# KiCad board HermEIS.kicad_pcb
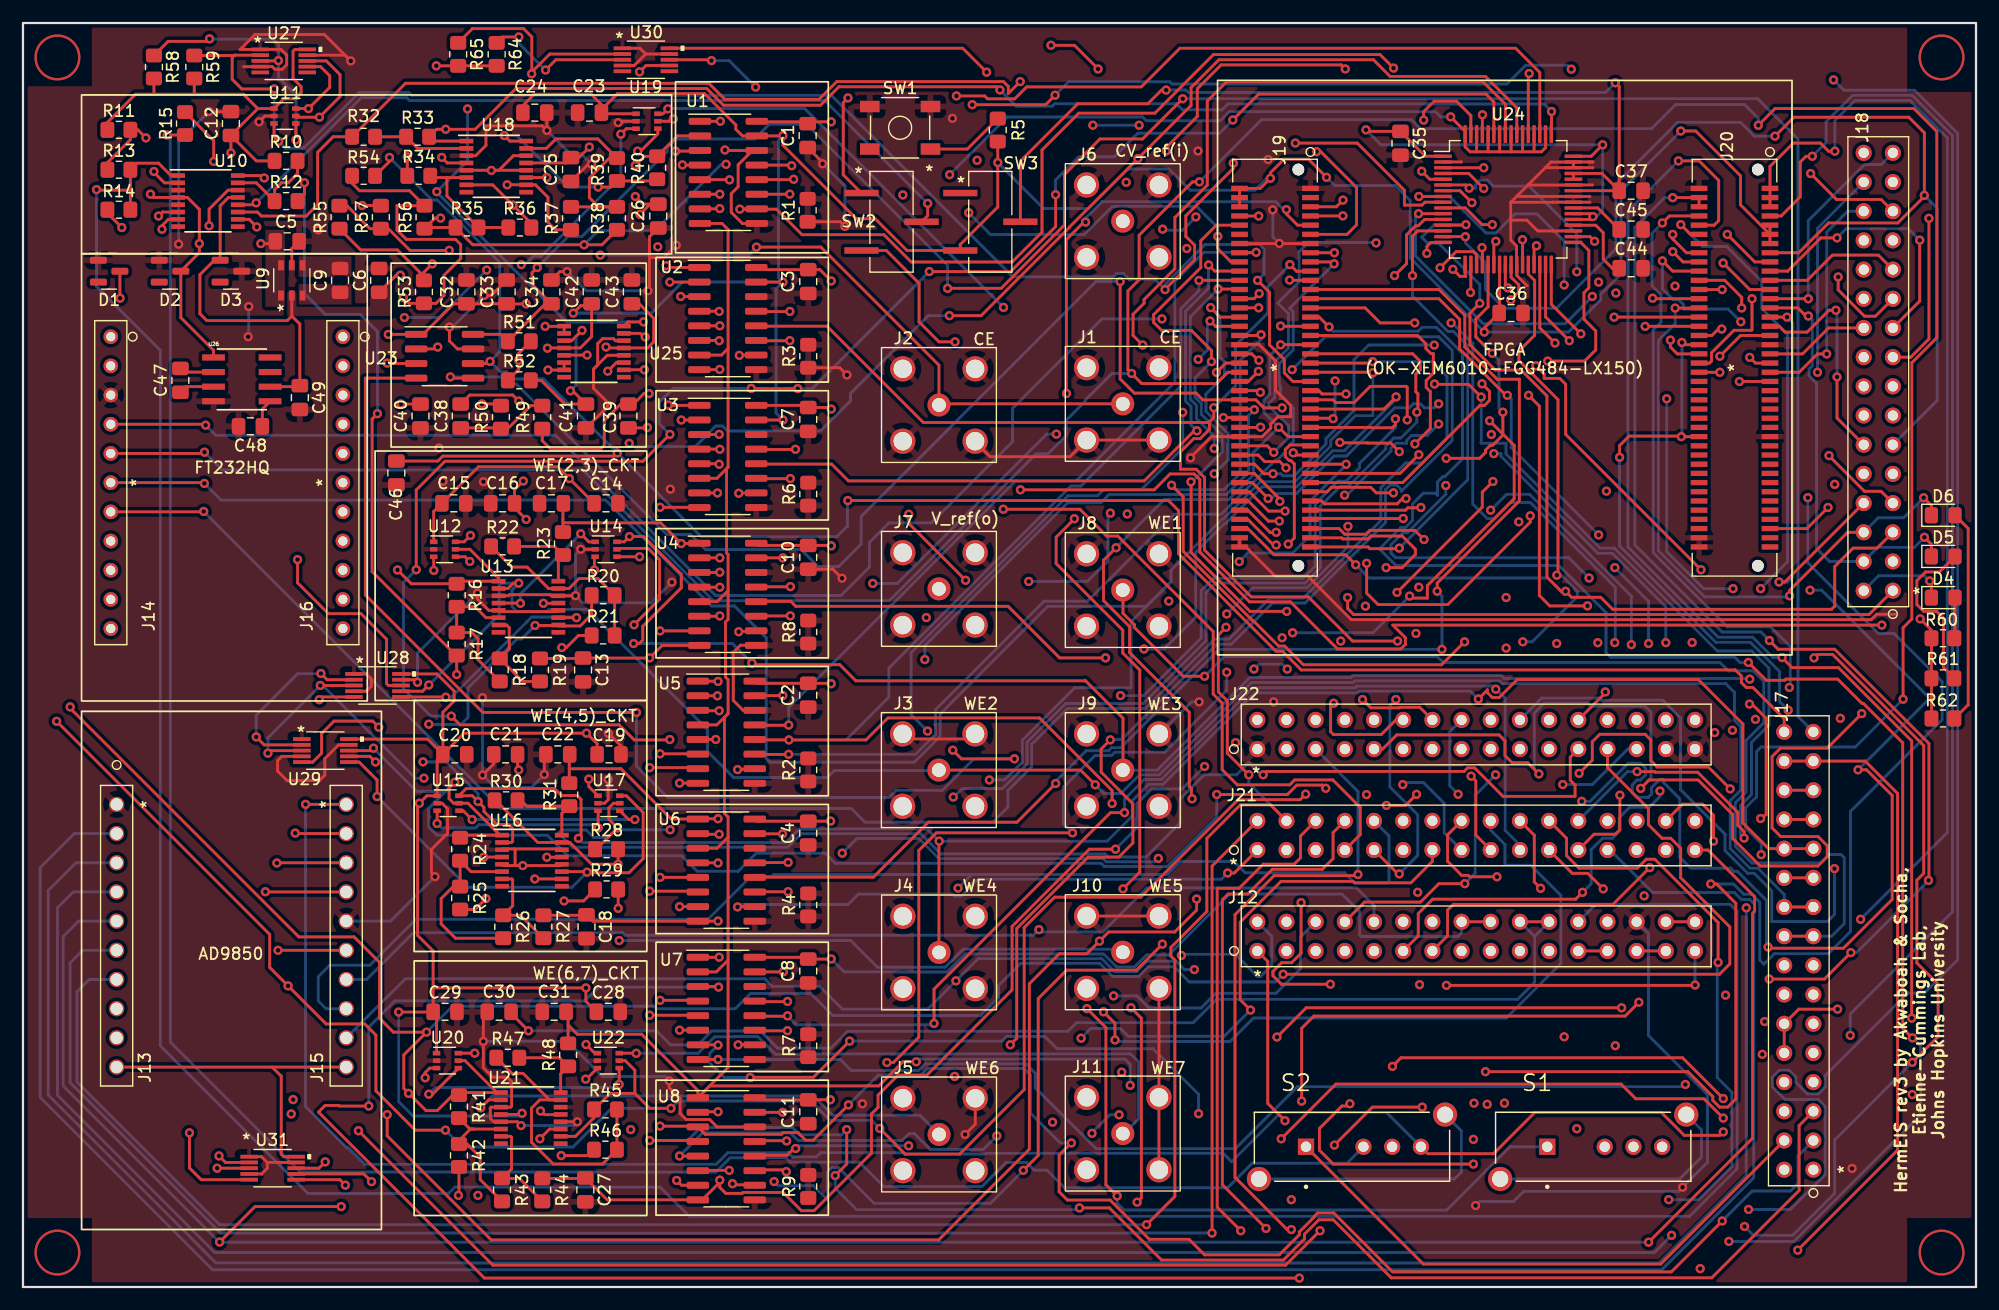
[diagram p0: board, top side]
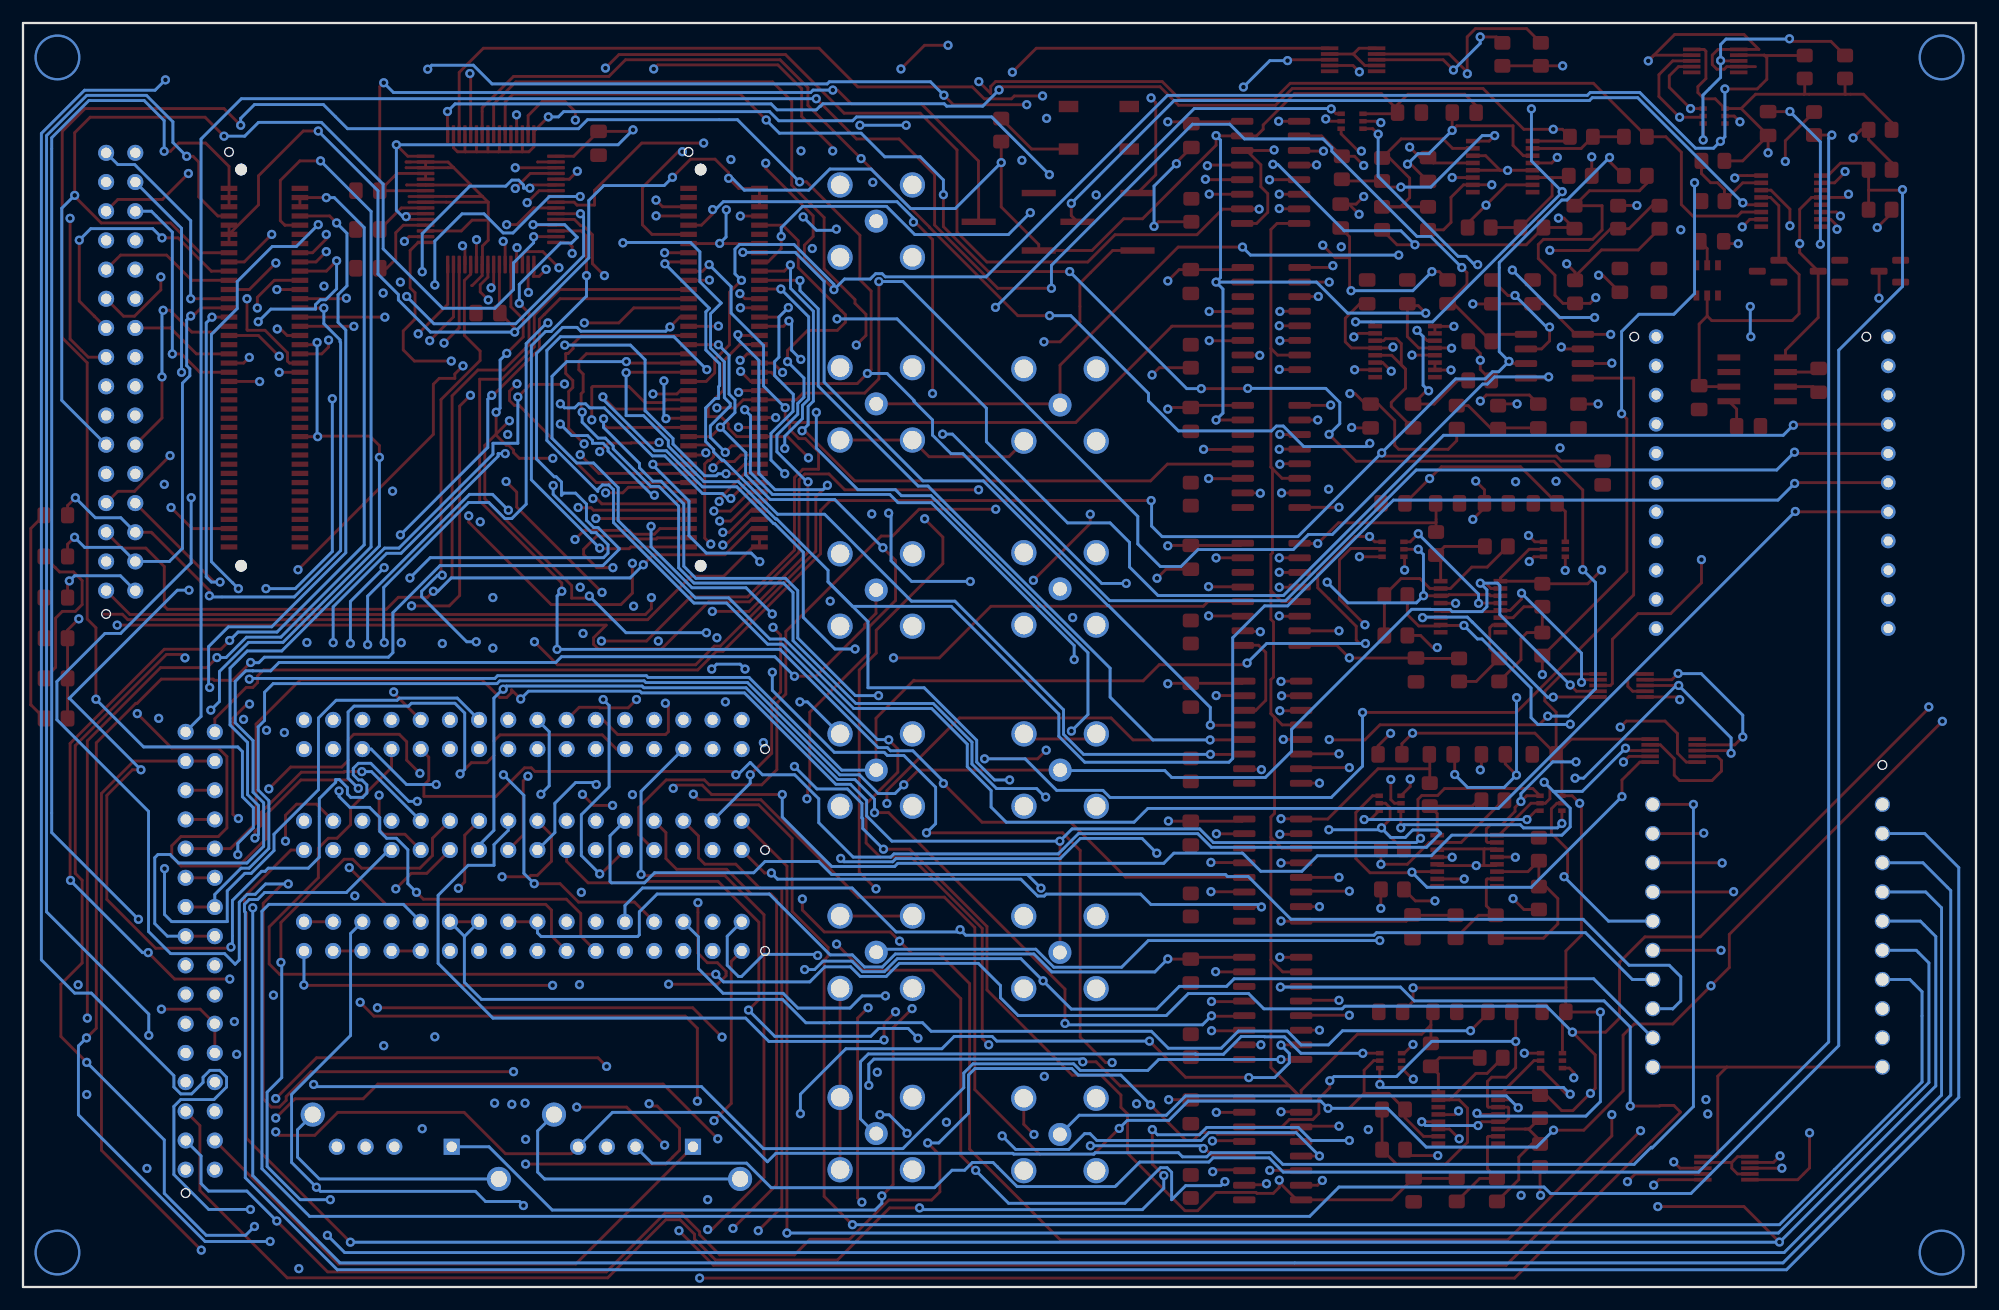
[diagram p1: board, bottom side, seen from below]

Outline 170 x 110 mm; copper layers: Top, In1.Cu, In2.Cu, Bottom. Coordinates in mm from the lower left corner of the outline.
Outline path: rectangle 0,110 170,0
Stack: Top 0.035mm / dielectric 1.51mm FR4 er 4.5 / In1.Cu 0.035mm / dielectric 1.51mm FR4 er 4.5 / In2.Cu 0.035mm / dielectric 1.51mm FR4 er 4.5 / Bottom 0.035mm

## Placement (name value [footprint] x y rotation side)
C1  0.1u  [C_0805_2012Metric_Pad1.18x1.45mm_HandSolder]  68.3 100.2 270 top
C2  0.1u  [C_0805_2012Metric_Pad1.18x1.45mm_HandSolder]  68.35 51.5 270 top
C3  0.1u  [C_0805_2012Metric_Pad1.18x1.45mm_HandSolder]  68.35 87.5 270 top
C4  0.1u  [C_0805_2012Metric_Pad1.18x1.45mm_HandSolder]  68.35 39.5 270 top
C5  10u  [C_0805_2012Metric_Pad1.18x1.45mm_HandSolder]  23 91 0 top
C6  10u  [C_0805_2012Metric_Pad1.18x1.45mm_HandSolder]  31 87.6 90 top
C7  0.1u  [C_0805_2012Metric_Pad1.18x1.45mm_HandSolder]  68.35 75.5 270 top
C8  0.1u  [C_0805_2012Metric_Pad1.18x1.45mm_HandSolder]  68.35 27.5 270 top
C9  1u  [C_0805_2012Metric_Pad1.18x1.45mm_HandSolder]  27.6 87.6 90 top
C10  0.1u  [C_0805_2012Metric_Pad1.18x1.45mm_HandSolder]  68.35 63.5 270 top
C11  0.1u  [C_0805_2012Metric_Pad1.18x1.45mm_HandSolder]  68.35 15.25 270 top
C12  0.1u  [C_0805_2012Metric_Pad1.18x1.45mm_HandSolder]  18.1 101.25 90 top
C13  1p  [C_0805_2012Metric_Pad1.18x1.45mm_HandSolder]  48.75 53.7 270 top
C14  0.1u  [C_0805_2012Metric_Pad1.18x1.45mm_HandSolder]  50.75 68.2 0 top
C15  0.1u  [C_0805_2012Metric_Pad1.18x1.45mm_HandSolder]  37.5 68.2 0 top
C16  0.1u  [C_0805_2012Metric_Pad1.18x1.45mm_HandSolder]  41.75 68.2 180 top
C17  1p  [C_0805_2012Metric_Pad1.18x1.45mm_HandSolder]  46 68.2 180 top
C18  1p  [C_0805_2012Metric_Pad1.18x1.45mm_HandSolder]  49.05 31.35 270 top
C19  0.1u  [C_0805_2012Metric_Pad1.18x1.45mm_HandSolder]  51.01 46.35 0 top
C20  0.1u  [C_0805_2012Metric_Pad1.18x1.45mm_HandSolder]  37.59 46.35 0 top
C21  0.1u  [C_0805_2012Metric_Pad1.18x1.45mm_HandSolder]  42.01 46.35 180 top
C22  1p  [C_0805_2012Metric_Pad1.18x1.45mm_HandSolder]  46.55 46.35 180 top
C23  0.1u  [C_0805_2012Metric_Pad1.18x1.45mm_HandSolder]  49.31 102.2 180 top
C24  0.1u  [C_0805_2012Metric_Pad1.18x1.45mm_HandSolder]  44.55 102.2 0 top
C25  0.1u  [C_0805_2012Metric_Pad1.18x1.45mm_HandSolder]  47.7 97.25 270 top
C26  1p  [C_0805_2012Metric_Pad1.18x1.45mm_HandSolder]  55.3 93.2 270 top
C27  1p  [C_0805_2012Metric_Pad1.18x1.45mm_HandSolder]  48.95 8.45 270 top
C28  0.1u  [C_0805_2012Metric_Pad1.18x1.45mm_HandSolder]  50.95 23.95 0 top
C29  0.1u  [C_0805_2012Metric_Pad1.18x1.45mm_HandSolder]  36.74 23.95 0 top
C30  0.1u  [C_0805_2012Metric_Pad1.18x1.45mm_HandSolder]  41.45 23.95 180 top
C31  1p  [C_0805_2012Metric_Pad1.18x1.45mm_HandSolder]  46.24 23.95 180 top
C32  10u  [C_0805_2012Metric_Pad1.18x1.45mm_HandSolder]  38.6 86.6 90 top
C33  0.1u  [C_0805_2012Metric_Pad1.18x1.45mm_HandSolder]  42.1 86.6 90 top
C34  1u  [C_0805_2012Metric_Pad1.18x1.45mm_HandSolder]  46 86.6 90 top
C35  100n  [C_0805_2012Metric_Pad1.18x1.45mm_HandSolder]  119.9 99.53 270 top
C36  100n  [C_0805_2012Metric_Pad1.18x1.45mm_HandSolder]  129.53 84.76 0 top
C37  10u  [C_0805_2012Metric_Pad1.18x1.45mm_HandSolder]  139.98 95.41 0 top
C38  130p  [C_0805_2012Metric_Pad1.18x1.45mm_HandSolder]  38.1 75.8 90 top
C39  130p  [C_0805_2012Metric_Pad1.18x1.45mm_HandSolder]  52.7 75.8 90 top
C40  75p  [C_0805_2012Metric_Pad1.18x1.45mm_HandSolder]  34.6 75.8 270 top
C41  75p  [C_0805_2012Metric_Pad1.18x1.45mm_HandSolder]  49 75.8 270 top
C42  0.1u  [C_0805_2012Metric_Pad1.18x1.45mm_HandSolder]  49.5 86.6 90 top
C43  0.1u  [C_0805_2012Metric_Pad1.18x1.45mm_HandSolder]  53 86.6 90 top
C44  10u  [C_0805_2012Metric_Pad1.18x1.45mm_HandSolder]  139.98 88.66 0 top
C45  10u  [C_0805_2012Metric_Pad1.18x1.45mm_HandSolder]  139.98 92.03 0 top
C46  1u  [C_0805_2012Metric_Pad1.18x1.45mm_HandSolder]  32.5 70.84 270 top
C47  10u  [C_0805_2012Metric_Pad1.18x1.45mm_HandSolder]  13.7 78.9 270 top
C48  100p  [C_0805_2012Metric_Pad1.18x1.45mm_HandSolder]  19.8 74.9 180 top
C49  3.3u  [C_0805_2012Metric_Pad1.18x1.45mm_HandSolder]  24.1 77.4 270 top
D1  BZX84Cxx  [SOT-23]  7.5 88.4 0 top
D2  BZX84Cxx  [SOT-23]  12.8 88.4 0 top
D3  BZX84Cxx  [SOT-23]  18.1 88.4 0 top
D4  LED  [LED_0805_2012Metric_Pad1.15x1.40mm_HandSolder]  167.14 60 0 top
D5  LED  [LED_0805_2012Metric_Pad1.15x1.40mm_HandSolder]  167.14 63.58 0 top
D6  LED  [LED_0805_2012Metric_Pad1.15x1.40mm_HandSolder]  167.14 67.16 0 top
J1  BNC_connector  [CONBNC001]  91.73 80.86 0 top
J2  BNC_connector  [CONBNC001]  75.73 80.76 0 top
J3  BNC_connector  [CONBNC001]  75.72 48.99 0 top
J4  BNC_connector  [CONBNC001]  75.74 33.12 0 top
J5  BNC_connector  [CONBNC001]  75.74 17.28 0 top
J6  BNC_connector  [CONBNC001]  91.73 96.76 0 top
J7  BNC_connector  [CONBNC001]  75.73 64.76 0 top
J8  BNC_connector  [CONBNC001]  91.73 64.66 0 top
J9  BNC_connector  [CONBNC001]  91.73 48.99 0 top
J10  BNC_connector  [CONBNC001]  91.73 33.14 0 top
J11  BNC_connector  [CONBNC001]  91.73 17.36 0 top
J12  -  [6-534206-6]  107.44 29.25 0 top
J13  -  [PPTC101LFBN-RC]  8.15 42 270 top
J14  -  [BCS-111-LM-S-TE]  7.64 70 90 top
J15  -  [PPTC101LFBN-RC]  28.14 42 270 top
J16  -  [BCS-111-LM-S-TE]  27.85 70 90 top
J17  -  [6-534206-6]  155.84 10.21 90 top
J18  -  [6-534206-6]  162.76 60.6 90 top
J19  -  [BTE-040-02-F-D-A]  108.98 80.01 270 top
J20  -  [BTE-040-02-F-D-A]  148.98 80.01 270 top
J21  -  [6-534206-6]  107.44 38.03 0 top
J22  -  [6-534206-6]  107.44 46.81 0 top
R1  5R  [R_0805_2012Metric_Pad1.20x1.40mm_HandSolder]  68.3 93.7 90 top
R2  5R  [R_0805_2012Metric_Pad1.20x1.40mm_HandSolder]  68.35 45 90 top
R3  5R  [R_0805_2012Metric_Pad1.20x1.40mm_HandSolder]  68.35 81 90 top
R4  5R  [R_0805_2012Metric_Pad1.20x1.40mm_HandSolder]  68.35 33.25 90 top
R5  1k  [R_0805_2012Metric_Pad1.20x1.40mm_HandSolder]  84.85 100.68 90 top
R6  5R  [R_0805_2012Metric_Pad1.20x1.40mm_HandSolder]  68.35 69 90 top
R7  5R  [R_0805_2012Metric_Pad1.20x1.40mm_HandSolder]  68.35 21 90 top
R8  5R  [R_0805_2012Metric_Pad1.20x1.40mm_HandSolder]  68.35 57 90 top
R9  5R  [R_0805_2012Metric_Pad1.20x1.40mm_HandSolder]  68.35 8.75 90 top
R10  100k  [R_0805_2012Metric_Pad1.20x1.40mm_HandSolder]  22.9 98 0 top
R11  73k2  [R_0805_2012Metric_Pad1.20x1.40mm_HandSolder]  8.35 100.7 0 top
R12  50k  [R_0805_2012Metric_Pad1.20x1.40mm_HandSolder]  22.9 94.5 0 top
R13  11k  [R_0805_2012Metric_Pad1.20x1.40mm_HandSolder]  8.35 97.23 0 top
R14  100k  [R_0805_2012Metric_Pad1.20x1.40mm_HandSolder]  8.35 93.75 180 top
R15  100k  [R_0805_2012Metric_Pad1.20x1.40mm_HandSolder]  14.1 101.25 90 top
R16  100k  [R_0805_2012Metric_Pad1.20x1.40mm_HandSolder]  37.75 60.2 270 top
R17  100k  [R_0805_2012Metric_Pad1.20x1.40mm_HandSolder]  37.75 55.95 90 top
R18  100k  [R_0805_2012Metric_Pad1.20x1.40mm_HandSolder]  41.5 53.7 90 top
R19  100k  [R_0805_2012Metric_Pad1.20x1.40mm_HandSolder]  45 53.7 90 top
R20  100k  [R_0805_2012Metric_Pad1.20x1.40mm_HandSolder]  50.5 60.2 0 top
R21  100k  [R_0805_2012Metric_Pad1.20x1.40mm_HandSolder]  50.5 56.7 0 top
R22  100k  [R_0805_2012Metric_Pad1.20x1.40mm_HandSolder]  41.75 64.45 0 top
R23  100k  [R_0805_2012Metric_Pad1.20x1.40mm_HandSolder]  47 64.7 90 top
R24  100k  [R_0805_2012Metric_Pad1.20x1.40mm_HandSolder]  38.05 38.1 270 top
R25  100k  [R_0805_2012Metric_Pad1.20x1.40mm_HandSolder]  38.05 33.85 90 top
R26  100k  [R_0805_2012Metric_Pad1.20x1.40mm_HandSolder]  41.8 31.35 90 top
R27  100k  [R_0805_2012Metric_Pad1.20x1.40mm_HandSolder]  45.3 31.35 90 top
R28  100k  [R_0805_2012Metric_Pad1.20x1.40mm_HandSolder]  50.8 38.1 0 top
R29  100k  [R_0805_2012Metric_Pad1.20x1.40mm_HandSolder]  50.8 34.6 0 top
R30  100k  [R_0805_2012Metric_Pad1.20x1.40mm_HandSolder]  42.05 42.35 0 top
R31  100k  [R_0805_2012Metric_Pad1.20x1.40mm_HandSolder]  47.55 42.85 90 top
R32  100k  [R_0805_2012Metric_Pad1.20x1.40mm_HandSolder]  29.65 100.1 0 top
R33  100k  [R_0805_2012Metric_Pad1.20x1.40mm_HandSolder]  34.35 100.1 0 top
R34  100k  [R_0805_2012Metric_Pad1.20x1.40mm_HandSolder]  34.45 96.7 0 top
R35  100k  [R_0805_2012Metric_Pad1.20x1.40mm_HandSolder]  38.65 92.2 0 top
R36  100k  [R_0805_2012Metric_Pad1.20x1.40mm_HandSolder]  43.25 92.2 0 top
R37  100k  [R_0805_2012Metric_Pad1.20x1.40mm_HandSolder]  47.7 93 90 top
R38  100k  [R_0805_2012Metric_Pad1.20x1.40mm_HandSolder]  51.7 93 90 top
R39  100k  [R_0805_2012Metric_Pad1.20x1.40mm_HandSolder]  51.7 97.25 270 top
R40  100k  [R_0805_2012Metric_Pad1.20x1.40mm_HandSolder]  55.2 97.4 90 top
R41  100k  [R_0805_2012Metric_Pad1.20x1.40mm_HandSolder]  37.95 15.7 270 top
R42  100k  [R_0805_2012Metric_Pad1.20x1.40mm_HandSolder]  37.95 11.45 90 top
R43  100k  [R_0805_2012Metric_Pad1.20x1.40mm_HandSolder]  41.7 8.45 90 top
R44  100k  [R_0805_2012Metric_Pad1.20x1.40mm_HandSolder]  45.2 8.45 90 top
R45  100k  [R_0805_2012Metric_Pad1.20x1.40mm_HandSolder]  50.7 15.45 0 top
R46  100k  [R_0805_2012Metric_Pad1.20x1.40mm_HandSolder]  50.7 11.95 0 top
R47  100k  [R_0805_2012Metric_Pad1.20x1.40mm_HandSolder]  42.2 19.95 0 top
R48  100k  [R_0805_2012Metric_Pad1.20x1.40mm_HandSolder]  47.45 20.2 90 top
R49  3k  [R_0805_2012Metric_Pad1.20x1.40mm_HandSolder]  45.2 75.7 90 top
R50  3k  [R_0805_2012Metric_Pad1.20x1.40mm_HandSolder]  41.6 75.7 90 top
R51  3k  [R_0805_2012Metric_Pad1.20x1.40mm_HandSolder]  43.2 82.3 0 top
R52  3k  [R_0805_2012Metric_Pad1.20x1.40mm_HandSolder]  43.2 78.9 0 top
R53  100k  [R_0805_2012Metric_Pad1.20x1.40mm_HandSolder]  34.9 86.6 90 top
R54  100k  [R_0805_2012Metric_Pad1.20x1.40mm_HandSolder]  29.65 96.7 180 top
R55  100k  [R_0805_2012Metric_Pad1.20x1.40mm_HandSolder]  27.55 93.1 90 top
R56  100k  [R_0805_2012Metric_Pad1.20x1.40mm_HandSolder]  34.95 93.1 90 top
R57  100k  [R_0805_2012Metric_Pad1.20x1.40mm_HandSolder]  31.15 93.1 90 top
R58  4k7  [R_0805_2012Metric_Pad1.20x1.40mm_HandSolder]  11.4 106.17 270 top
R59  4k7  [R_0805_2012Metric_Pad1.20x1.40mm_HandSolder]  14.91 106.17 270 top
R60  65R  [R_0805_2012Metric_Pad1.20x1.40mm_HandSolder]  167.12 56.46 180 top
R61  65R  [R_0805_2012Metric_Pad1.20x1.40mm_HandSolder]  167.12 52.97 180 top
R62  65R  [R_0805_2012Metric_Pad1.20x1.40mm_HandSolder]  167.12 49.48 180 top
R64  4k7  [R_0805_2012Metric_Pad1.20x1.40mm_HandSolder]  41.23 107.27 270 top
R65  4k7  [R_0805_2012Metric_Pad1.20x1.40mm_HandSolder]  37.88 107.27 270 top
S1  OS103012MU1QP1  [SW_OS103012MU1QP1]  136.68 12.21 0 top
S2  OS103012MU1QP1  [SW_OS103012MU1QP1]  115.68 12.21 0 top
SW1  -  [8-1437565-0]  76.35 100.88 180 top
SW2  SW_SPDT  [JS102011SCQN]  75.6 92.7 0 top
SW3  SW_SPDT  [JS102011SCQN]  84.2 92.7 0 top
U1  MCP3008  [SOIC-16_3.9x9.9mm_P1.27mm]  61.4 97 0 top
U2  MCP3008  [SOIC-16_3.9x9.9mm_P1.27mm]  61.35 84.28 0 top
U3  MCP3008  [SOIC-16_3.9x9.9mm_P1.27mm]  61.35 72.28 0 top
U4  MCP3008  [SOIC-16_3.9x9.9mm_P1.27mm]  61.35 60.28 0 top
U5  MCP3008  [SOIC-16_3.9x9.9mm_P1.27mm]  61.22 48.28 0 top
U6  MCP3008  [SOIC-16_3.9x9.9mm_P1.27mm]  61.22 36.28 0 top
U7  MCP3008  [SOIC-16_3.9x9.9mm_P1.27mm]  61.22 24.25 0 top
U8  MCP3008  [SOIC-16_3.9x9.9mm_P1.27mm]  61.22 12.03 0 top
U9  -  [LTC1983ES6-3-TRMPBF]  23.4 87.6 90 top
U10  LTC6082xGN  [SSOP-16_3.9x4.9mm_P0.635mm]  16.1 94.5 0 top
U11  MCP4017-xxxxLT  [SOT-363_SC-70-6]  22.8 101.9 0 top
U12  MCP4017-xxxxLT  [SOT-363_SC-70-6]  36.7 64.2 0 top
U13  LTC6082xGN  [SSOP-16_3.9x4.9mm_P0.635mm]  44 59.2 0 top
U14  MCP4017-xxxxLT  [SOT-363_SC-70-6]  50.75 64.2 0 top
U15  MCP4017-xxxxLT  [SOT-363_SC-70-6]  37 42.1 0 top
U16  LTC6082xGN  [SSOP-16_3.9x4.9mm_P0.635mm]  44.3 37.1 0 top
U17  MCP4017-xxxxLT  [SOT-363_SC-70-6]  51 42.1 0 top
U18  LTC6082xGN  [SSOP-16_3.9x4.9mm_P0.635mm]  41.2 97.5 0 top
U19  MCP4017-xxxxLT  [SOT-363_SC-70-6]  54.31 101.45 0 top
U20  MCP4017-xxxxLT  [SOT-363_SC-70-6]  36.95 19.7 0 top
U21  LTC6082xGN  [SSOP-16_3.9x4.9mm_P0.635mm]  44.2 14.7 0 top
U22  MCP4017-xxxxLT  [SOT-363_SC-70-6]  50.95 19.7 0 top
U23  MCP4822  [SOIC-8_3.9x4.9mm_P1.27mm]  36.7 81 0 top
U24  AD7606  [LQFP-64_10x10mm_P0.5mm]  129.28 94.66 0 top
U25  LTC6082xGN  [SSOP-16_3.9x4.9mm_P0.635mm]  49.7 81.4 0 top
U26  LTC1261CS8-4#PBF  [SO-8_S]  19.05 78.99 0 top
U27  MCP4652T-104E/UN  [MCP4652T-104E&slash_UN]  22.7 106.7 0 top
U28  MCP4652T-104E/UN  [MCP4652T-104E&slash_UN]  30.85 52.35 0 top
U29  MCP4652T-104E/UN  [MCP4652T-104E&slash_UN]  26.32 46.68 0 top
U30  MCP4652T-104E/UN  [MCP4652T-104E&slash_UN]  54.22 106.8 0 top
U31  MCP4652T-104E/UN  [MCP4652T-104E&slash_UN]  21.73 10.34 0 top

## Library data of the parts
S1 S2 = -: MANUFACTURER: C and K Switches; MAXIMUM_PACKAGE_HEIGHT: 9.2 mm; PARTREV: 8 Aug 17; STANDARD: Manufacturer Recommendations
U26 = -: MANUFACTURER_PART_NUMBER: ltc1261cs84#pbf; VENDOR: Linear Technology

## Footprints (pads in the part's own frame, mm; a bottom-side part is the same pattern mirrored in y, then rotated)
6-534206-6
  round 1.397 hole 0.889: A1(0,0) A2(2.54,0) A3(5.08,0) A4(7.62,0) A5(10.16,0) A6(12.7,0) A7(15.24,0) A8(17.78,0) A9(20.32,0) A10(22.86,0) A11(25.4,0) A12(27.94,0) A13(30.48,0) A14(33.02,0) A15(35.56,0) A16(38.1,0) B1(0,2.54) B2(2.54,2.54) B3(5.08,2.54) B4(7.62,2.54) B5(10.16,2.54) B6(12.7,2.54) B7(15.24,2.54) B8(17.78,2.54) B9(20.32,2.54) B10(22.86,2.54) B11(25.4,2.54) B12(27.94,2.54) B13(30.48,2.54) B14(33.02,2.54) B15(35.56,2.54) B16(38.1,2.54)
8-1437565-0
  rect 1.702x0.991 smd: 1(-2.642,1.85) 2(2.642,1.85) 3(-2.642,-1.85) 4(2.642,-1.85)
BCS-111-LM-S-TE
  round 1.27 hole 0.8: 1(12.7,0) 2(10.16,0) 3(7.62,0) 4(5.08,0) 5(2.54,0) 6(0,0) 7(-2.54,0) 8(-5.08,0) 9(-7.62,0) 10(-10.16,0) 11(-12.7,0)
BTE-040-02-F-D-A
  rect 0.457x1.448 smd: 1(-15.602,3.086) 2(-15.602,-3.086) 3(-14.802,3.086) 4(-14.802,-3.086) 5(-14.002,3.086) 6(-14.002,-3.086) 7(-13.202,3.086) 8(-13.202,-3.086) 9(-12.402,3.086) 10(-12.402,-3.086) 11(-11.601,3.086) 12(-11.601,-3.086) 13(-10.801,3.086) 14(-10.801,-3.086) 15(-10.001,3.086) 16(-10.001,-3.086) 17(-9.201,3.086) 18(-9.201,-3.086) 19(-8.401,3.086) 20(-8.401,-3.086) 21(-7.601,3.086) 22(-7.601,-3.086) 23(-6.801,3.086) 24(-6.801,-3.086) 25(-6.001,3.086) 26(-6.001,-3.086) 27(-5.201,3.086) 28(-5.201,-3.086) 29(-4.401,3.086) 30(-4.401,-3.086) 31(-3.6,3.086) 32(-3.6,-3.086) 33(-2.8,3.086) 34(-2.8,-3.086) 35(-2,3.086) 36(-2,-3.086) 37(-1.2,3.086) 38(-1.2,-3.086) 39(-0.4,3.086) 40(-0.4,-3.086) 41(0.4,3.086) 42(0.4,-3.086) 43(1.2,3.086) 44(1.2,-3.086) 45(2,3.086) 46(2,-3.086) 47(2.8,3.086) 48(2.8,-3.086) 49(3.6,3.086) 50(3.6,-3.086) 51(4.401,3.086) 52(4.401,-3.086) 53(5.201,3.086) 54(5.201,-3.086) 55(6.001,3.086) 56(6.001,-3.086) 57(6.801,3.086) 58(6.801,-3.086) 59(7.601,3.086) 60(7.601,-3.086) 61(8.401,3.086) 62(8.401,-3.086) 63(9.201,3.086) 64(9.201,-3.086) 65(10.001,3.086) 66(10.001,-3.086) 67(10.801,3.086) 68(10.801,-3.086) 69(11.601,3.086) 70(11.601,-3.086) 71(12.402,3.086) 72(12.402,-3.086) 73(13.202,3.086) 74(13.202,-3.086) 75(14.002,3.086) 76(14.002,-3.086) 77(14.802,3.086) 78(14.802,-3.086) 79(15.602,3.086) 80(15.602,-3.086)
  round 1.016 hole 1.016: 81(-17.24,2.032) 82(17.24,2.032)
C_0805_2012Metric_Pad1.18x1.45mm_HandSolder
  rrect 1.175x1.45 smd: 1(-1.038,0) 2(1.038,0)
CONBNC001
  round 2 hole 1.2: 1(4,-4)
  round 2.2 hole 1.6: 2(0.85,-0.85) 2(0.85,-7.15) 2(7.15,-0.85) 2(7.15,-7.15)
JS102011SCQN
  rect 2.972x0.559 smd: 1(-2.616,2.5) 2(2.616,0) 3(-2.616,-2.5)
LED_0805_2012Metric_Pad1.15x1.40mm_HandSolder
  rrect 1.15x1.4 smd: 1(-1.025,0) 2(1.025,0)
LQFP-64_10x10mm_P0.5mm
  rrect 1.55x0.3 smd: 1(-5.675,3.75) 2(-5.675,3.25) 3(-5.675,2.75) 4(-5.675,2.25) 5(-5.675,1.75) 6(-5.675,1.25) 7(-5.675,0.75) 8(-5.675,0.25) 9(-5.675,-0.25) 10(-5.675,-0.75) 11(-5.675,-1.25) 12(-5.675,-1.75) 13(-5.675,-2.25) 14(-5.675,-2.75) 15(-5.675,-3.25) 16(-5.675,-3.75) 33(5.675,-3.75) 34(5.675,-3.25) 35(5.675,-2.75) 36(5.675,-2.25) 37(5.675,-1.75) 38(5.675,-1.25) 39(5.675,-0.75) 40(5.675,-0.25) 41(5.675,0.25) 42(5.675,0.75) 43(5.675,1.25) 44(5.675,1.75) 45(5.675,2.25) 46(5.675,2.75) 47(5.675,3.25) 48(5.675,3.75)
  rrect 0.3x1.55 smd: 17(-3.75,-5.675) 18(-3.25,-5.675) 19(-2.75,-5.675) 20(-2.25,-5.675) 21(-1.75,-5.675) 22(-1.25,-5.675) 23(-0.75,-5.675) 24(-0.25,-5.675) 25(0.25,-5.675) 26(0.75,-5.675) 27(1.25,-5.675) 28(1.75,-5.675) 29(2.25,-5.675) 30(2.75,-5.675) 31(3.25,-5.675) 32(3.75,-5.675) 49(3.75,5.675) 50(3.25,5.675) 51(2.75,5.675) 52(2.25,5.675) 53(1.75,5.675) 54(1.25,5.675) 55(0.75,5.675) 56(0.25,5.675) 57(-0.25,5.675) 58(-0.75,5.675) 59(-1.25,5.675) 60(-1.75,5.675) 61(-2.25,5.675) 62(-2.75,5.675) 63(-3.25,5.675) 64(-3.75,5.675)
LTC1983ES6-3-TRMPBF
  rect 0.876x0.508 smd: 1(-1.314,0.94) 2(-1.314,0) 3(-1.314,-0.94) 4(1.314,-0.94) 5(1.314,0) 6(1.314,0.94)
MCP4652T-104E&slash_UN
  rect 1.524x0.33 smd: 1(-2.045,1) 2(-2.045,0.5) 3(-2.045,0) 4(-2.045,-0.5) 5(-2.045,-1) 6(2.045,-1) 7(2.045,-0.5) 8(2.045,0) 9(2.045,0.5) 10(2.045,1)
PPTC101LFBN-RC
  round 1.321 hole 1.067: 1(0,0) 2(2.54,0) 3(5.08,0) 4(7.62,0) 5(10.16,0) 6(12.7,0) 7(15.24,0) 8(17.78,0) 9(20.32,0) 10(22.86,0)
R_0805_2012Metric_Pad1.20x1.40mm_HandSolder
  rrect 1.2x1.4 smd: 1(-1,0) 2(1,0)
SO-8_S
  rect 1.981x0.533 smd: 1(-2.464,1.905) 2(-2.464,0.635) 3(-2.464,-0.635) 4(-2.464,-1.905) 5(2.464,-1.905) 6(2.464,-0.635) 7(2.464,0.635) 8(2.464,1.905)
SOIC-8_3.9x4.9mm_P1.27mm
  rrect 1.95x0.6 smd: 1(-2.475,1.905) 2(-2.475,0.635) 3(-2.475,-0.635) 4(-2.475,-1.905) 5(2.475,-1.905) 6(2.475,-0.635) 7(2.475,0.635) 8(2.475,1.905)
SOIC-16_3.9x9.9mm_P1.27mm
  rrect 1.95x0.6 smd: 1(-2.475,4.445) 2(-2.475,3.175) 3(-2.475,1.905) 4(-2.475,0.635) 5(-2.475,-0.635) 6(-2.475,-1.905) 7(-2.475,-3.175) 8(-2.475,-4.445) 9(2.475,-4.445) 10(2.475,-3.175) 11(2.475,-1.905) 12(2.475,-0.635) 13(2.475,0.635) 14(2.475,1.905) 15(2.475,3.175) 16(2.475,4.445)
SOT-23
  rrect 1.475x0.6 smd: 1(-0.938,0.95) 2(-0.938,-0.95) 3(0.938,0)
SOT-363_SC-70-6
  rect 0.65x0.4 smd: 1(-0.95,0.65) 2(-0.95,0) 3(-0.95,-0.65) 4(0.95,-0.65) 5(0.95,0) 6(0.95,0.65)
SSOP-16_3.9x4.9mm_P0.635mm
  rect 1.2x0.4 smd: 1(-2.6,2.223) 2(-2.6,1.587) 3(-2.6,0.953) 4(-2.6,0.318) 5(-2.6,-0.318) 6(-2.6,-0.953) 7(-2.6,-1.587) 8(-2.6,-2.223) 9(2.6,-2.223) 10(2.6,-1.587) 11(2.6,-0.953) 12(2.6,-0.318) 13(2.6,0.318) 14(2.6,0.953) 15(2.6,1.587) 16(2.6,2.223)
SW_OS103012MU1QP1
  rect 1.408x1.408 hole 0.9: 1(-4,0)
  round 1.408 hole 0.9: 2(1,0) 3(3.5,0) 4(6,0)
  round 2.1 hole 1.4: S1(-8.1,-2.8) S2(8.1,2.8)
